# Altium PCB PCB1.PcbDoc
Units mm, origin at the board's own origin, x right, y up, seen from the top; angles counter-clockwise.
Board outline 62 x 227.1 mm, 6 copper layers (Top Layer, +5V, Signal Layer 1, Signal Layer 2, +3.3V, Bottom Layer), stack 1.231 mm thick; 81 components, 121 nets, 534 pads, 15 vias.
Unrouted connection lines stored in the file: 228.
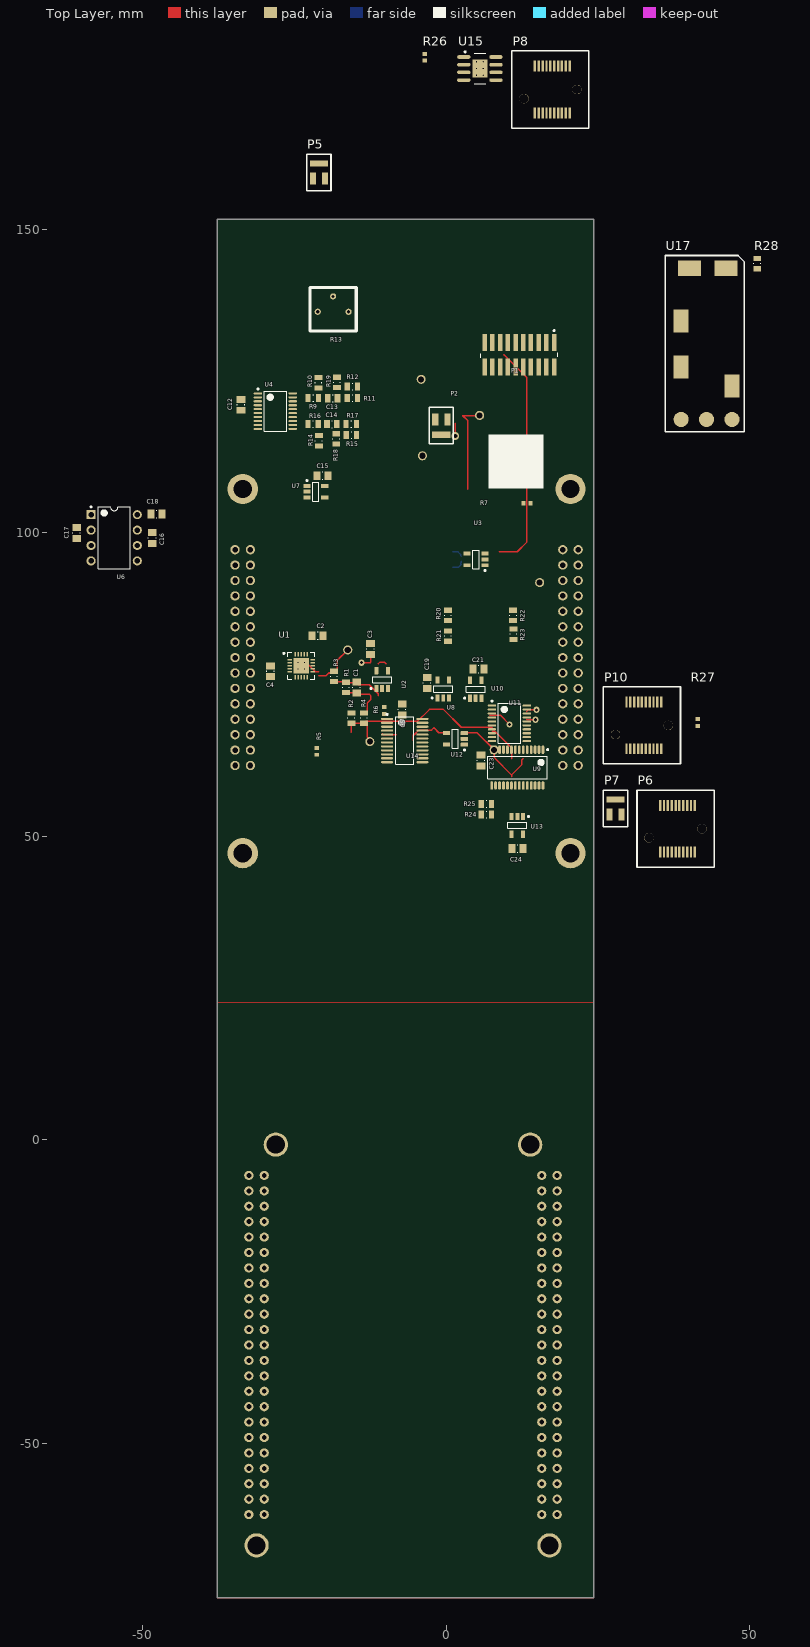
[diagram p0: Top Layer view]
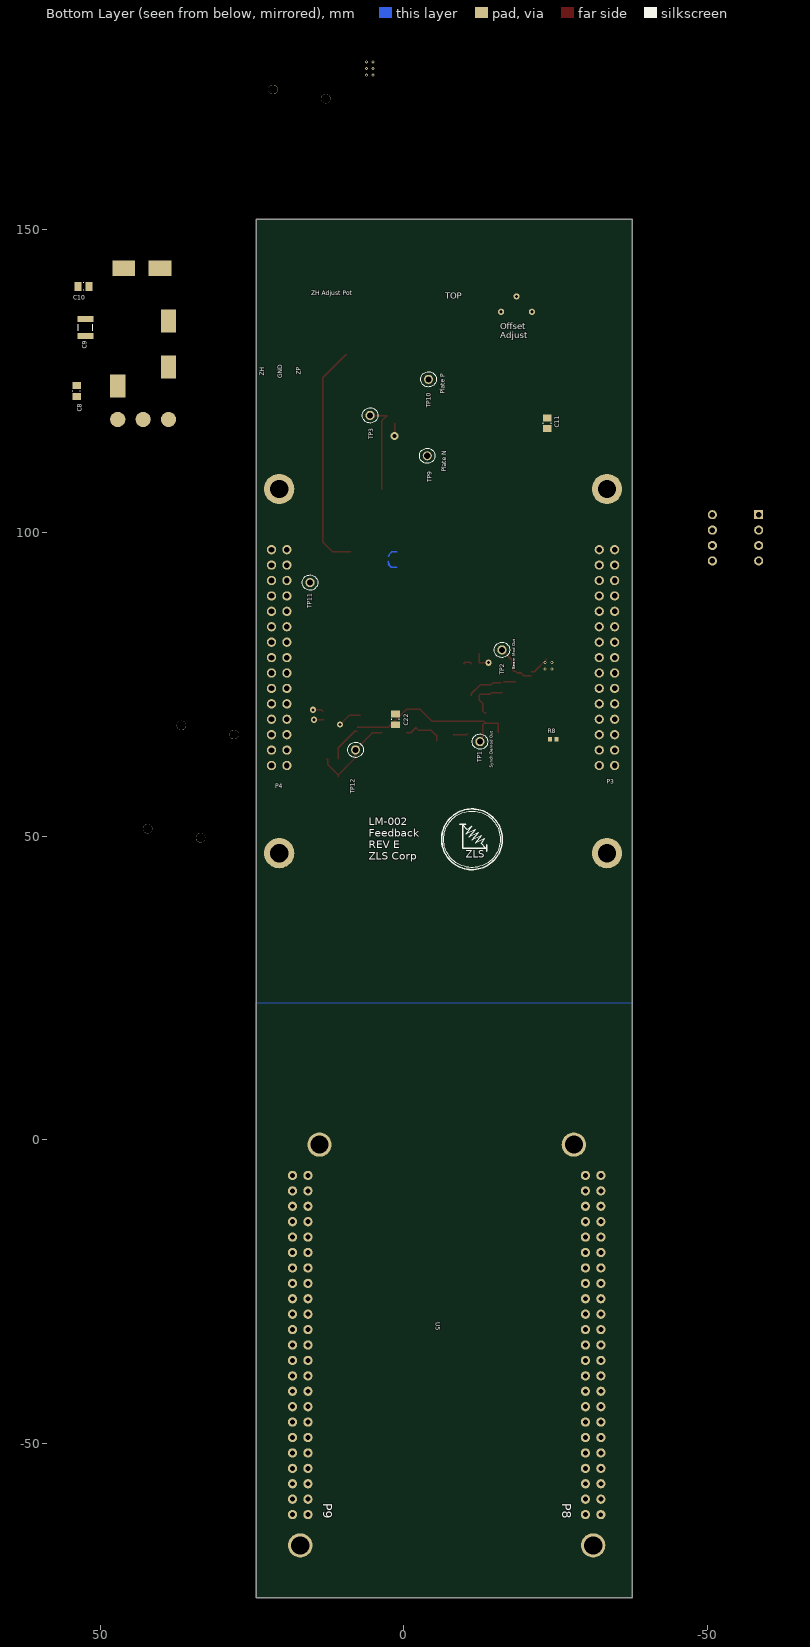
[diagram p1: Bottom Layer view, seen from below]
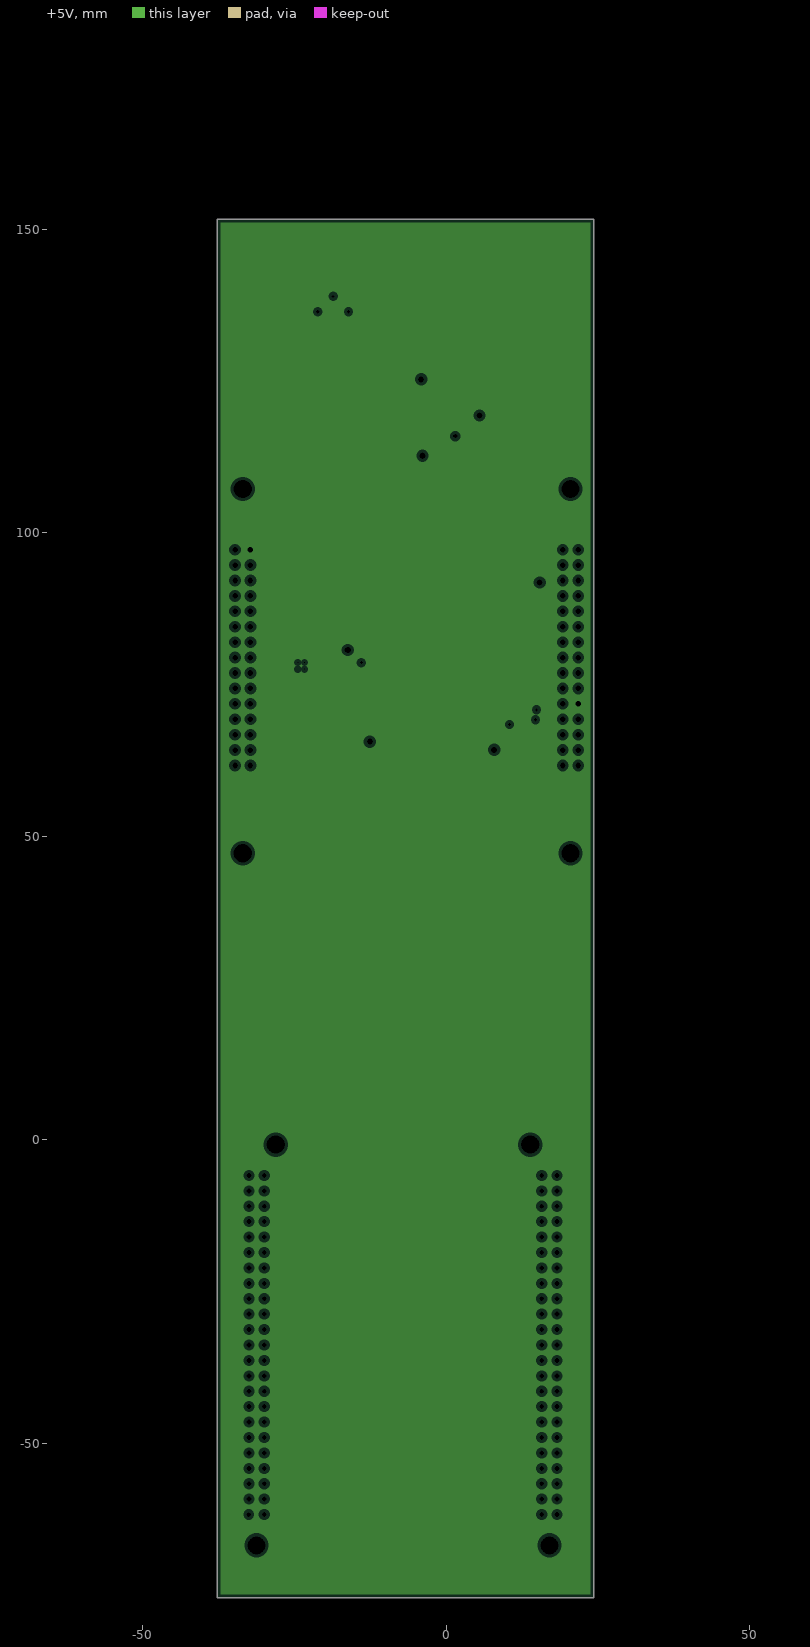
[diagram p2: +5V, clearances drawn from the general rule]
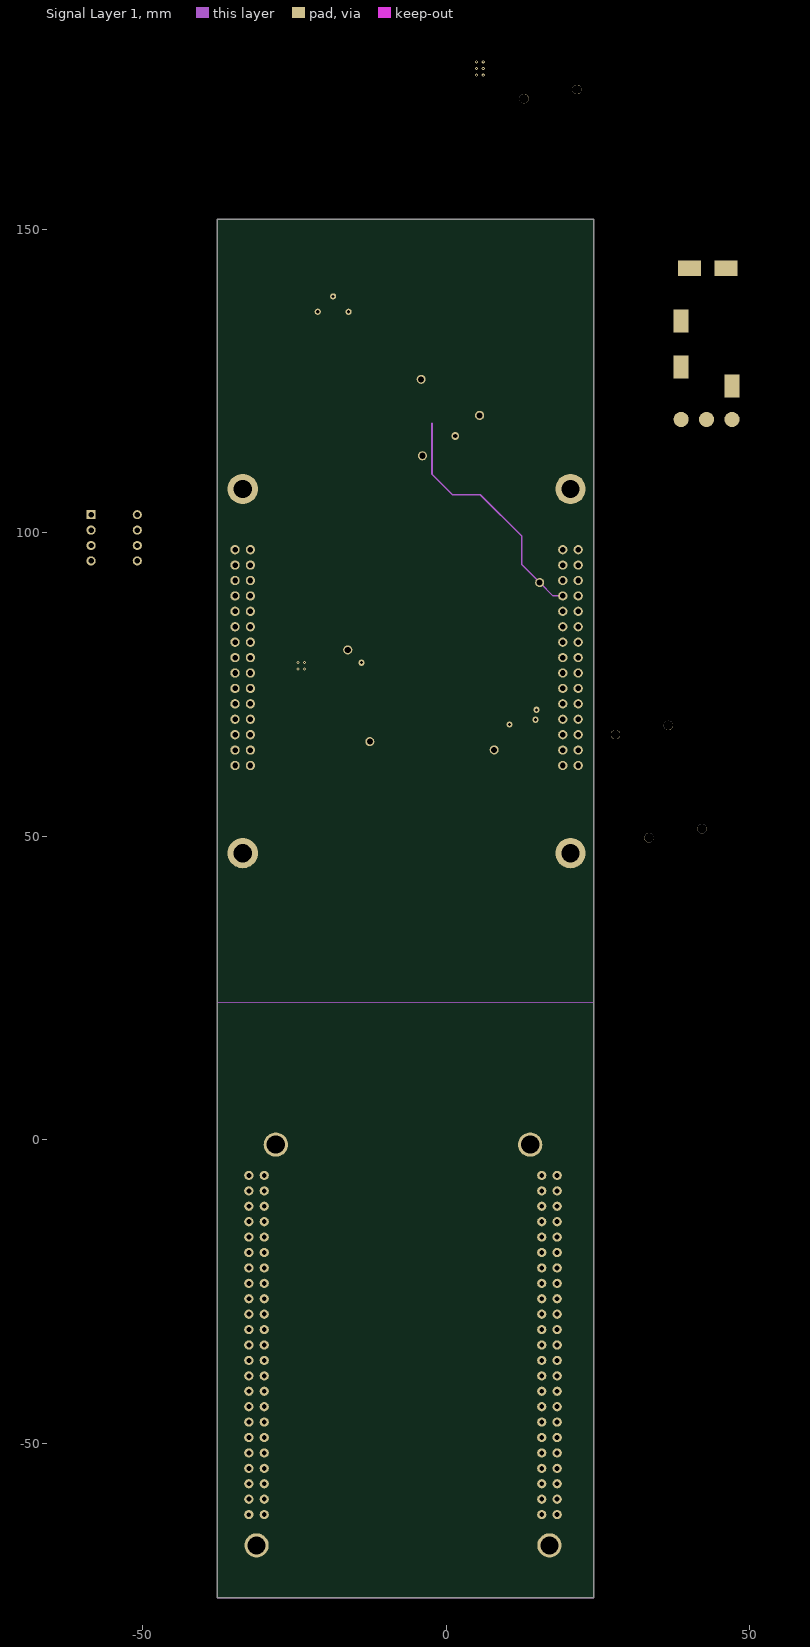
[diagram p3: Signal Layer 1]
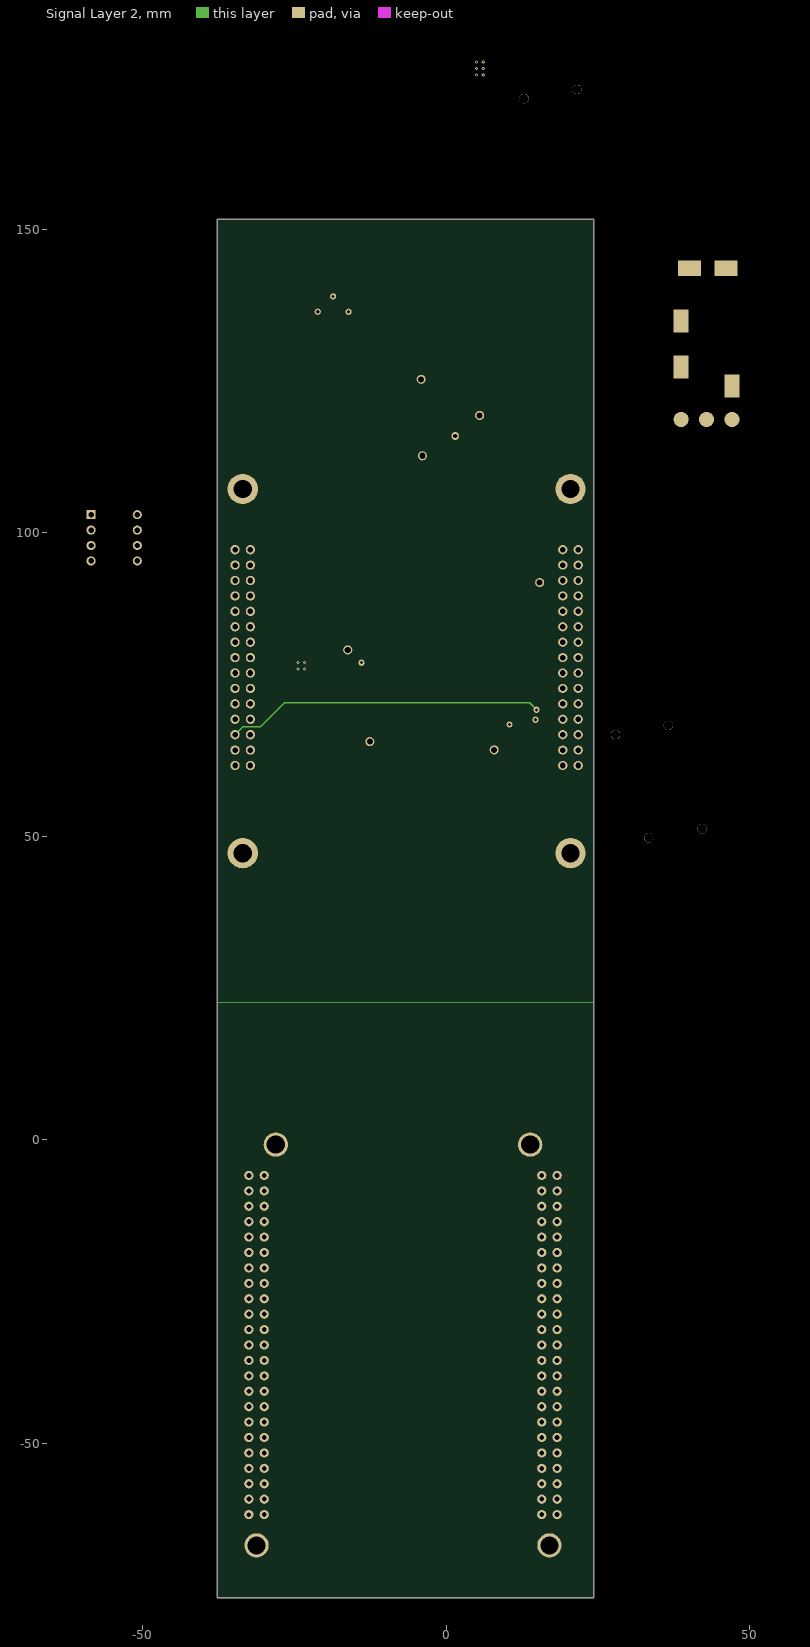
[diagram p4: Signal Layer 2]
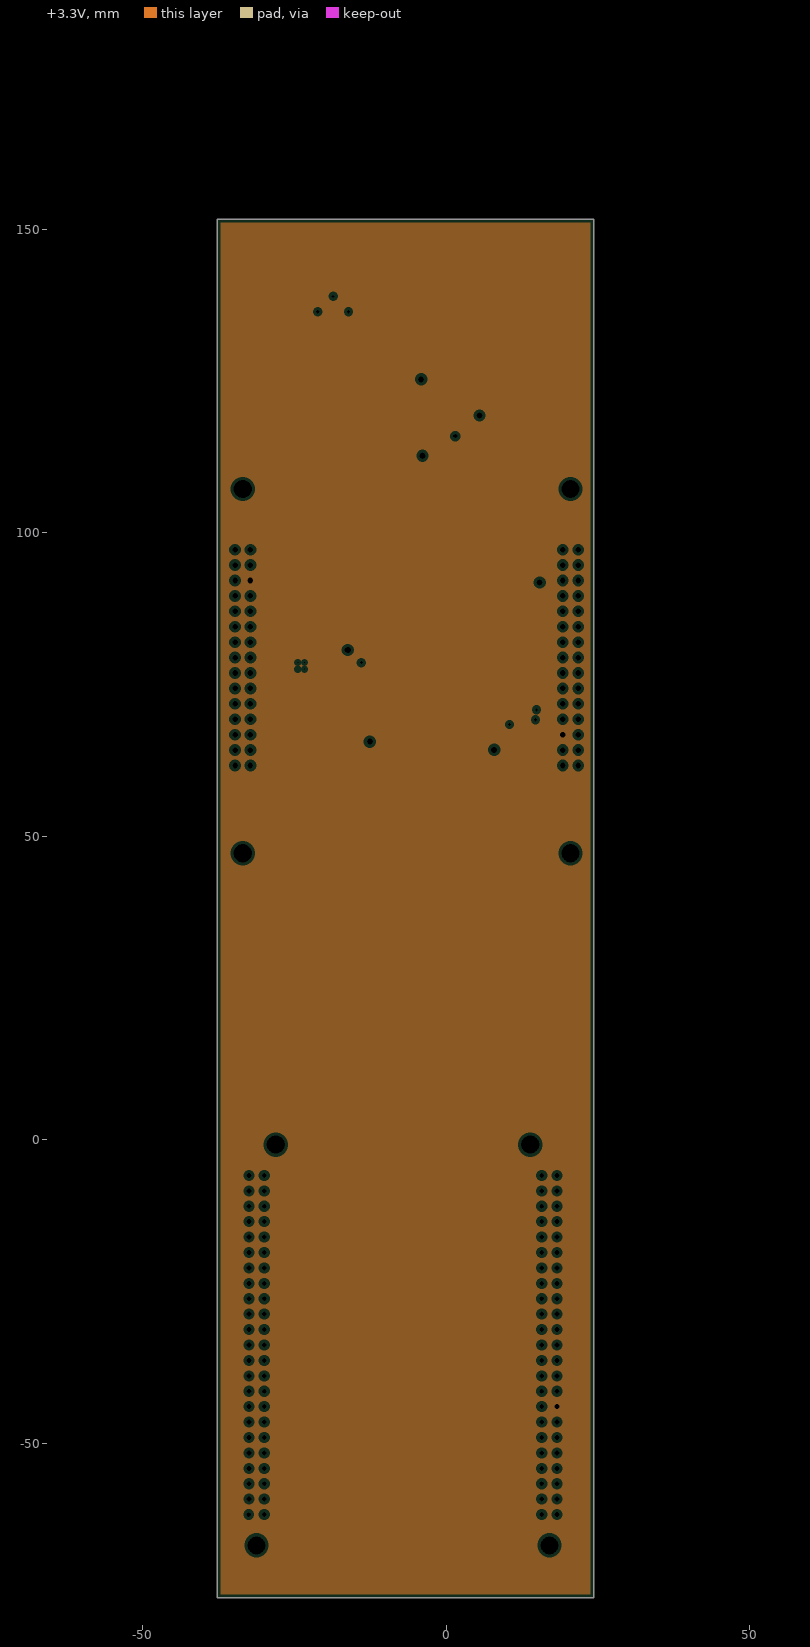
[diagram p5: +3.3V, clearances drawn from the general rule]

## Layer stack, top to bottom
Top Solder: solder mask 0.0102, Solder Resist, Dk 3.5
Top Layer: signal copper 0.0356
Dielectric 1: core 0.254, FR-4, Dk 4.2
+5V: plane copper 0.036, net +5
Dielectric 4: prepreg 0.127, Dk 4.2
Signal Layer 1: signal copper 0.036
Dielectric 5: core 0.254, Dk 4.2
Signal Layer 2: signal copper 0.036
Dielectric 6: prepreg 0.127, Dk 4.2
+3.3V: plane copper 0.036, net +3.3
Dielectric 3: core 0.254, Dk 4.2
Bottom Layer: signal copper 0.0356
Bottom Solder: solder mask 0.0102, Solder Resist, Dk 3.5

## Board outline
-37.722,-75.441 24.281,-75.441 24.281,151.663 -37.722,151.663

## Design rules (kind name [scope] priority, off if disabled: settings)
Clearance [All] p1: gap=0.15 ignorepadtopadclearanceinfootprint=TRUE except(0.04: SMDPad-SMDPad; 0.1: SMDPad-THPad)
DiffPairsRouting DiffPair_DiffPairsRouting [InDifferentialPair ('PLATE')] p1: maxlimit=0.254 minlimit=0.254 mostfreqgap=0.254 toplayer_minwidth=0.381 toplayer_maxwidth=0.381 toplayer_prefwidth=0.381 midlayer1_minwidth=0.381 midlayer1_maxwidth=0.381 midlayer1_prefwidth=0.381 midlayer2_minwidth=0.381 midlayer2_maxwidth=0.381 midlayer2_prefwidth=0.381 bottomlayer_minwidth=0.381 bottomlayer_maxwidth=0.381 bottomlayer_prefwidth=0.381 maxuncoupledlength=12.7
DiffPairsRouting [All] p2: maxlimit=0.254 minlimit=0.254 mostfreqgap=0.254 toplayer_minwidth=0.381 toplayer_maxwidth=0.381 toplayer_prefwidth=0.381 midlayer1_minwidth=0.381 midlayer1_maxwidth=0.381 midlayer1_prefwidth=0.381 midlayer2_minwidth=0.381 midlayer2_maxwidth=0.381 midlayer2_prefwidth=0.381 bottomlayer_minwidth=0.381 bottomlayer_maxwidth=0.381 bottomlayer_prefwidth=0.381 maxuncoupledlength=12.7
HoleSize [All] p1: absolutevalues=TRUE maxlimit=10 minlimit=0.076 maxpercent=80.000 minpercent=20.000
HoleToHoleClearance [All] p1: gap=0.12 allowstackedmicrovias=TRUE
MatchedLengths DiffPair_MatchedLengths [InDifferentialPair ('PLATE')] p1: tolerance=2.54 checknetsindiffpair=FALSE checkdiffpairvsdiffpair=TRUE checkxsignals=TRUE checkothers=TRUE
MinimumSolderMaskSliver [All] p1: minsoldermaskwidth=0.025
PlaneClearance [All] p1: clearance=0.508
PlaneConnect [All] p1: planeconnectstyle=Relief reliefexpansion=0.508 reliefentries=4 reliefconductorwidth=0.254 reliefairgap=0.254
PolygonConnect [All] p1: connectstyle=Relief reliefconductorwidth=0.254 reliefentries=4 polygonreliefangle="90 Angle" airgapwidth=0.254
RoomDefinition ZP [InComponentClass('ZP')] p1: confinementstyle=ConfineIn formatcopy=TRUE lockcomponents=FALSE outline 33.528,113.69 52.908,113.69 52.908,145.745 33.528,145.745
RoutingVias [All] p1: holewidth=0.711 width=1.27 viastyle="Through Hole" minholewidth=0.127 minwidth=0.9 maxholewidth=1.4 maxwidth=2.54
SilkToSilkClearance [All] p1: silktosilkclearance=0.12
SilkToSolderMaskClearance [IsPad] p1: minsilkscreentomaskgap=0.12 clearancetoexposedcopper=TRUE
SolderMaskExpansion [All] p1: expansion=0.102
Width [All] p1: maxlimit=0.254 minlimit=0.1 preferedwidth=0.254
22 further rules are at their usual default settings.

## Classes and differential pairs
component class ZP: C8 C9 C10 R28 U17
component class ZH: C5 P8 P10 R8 R26 R27 TP1 TP2 TP3 U12 U14 U15
component class Beam_Amp: P2 P5 P6 P7 R5 R6 R7 U11
component class BBB: U5
component class ADC: C19 C21 C22 C23 C24 R20 R21 R22 R23 R24 R25 TP12 U8 U9 U10 U13
component class synch_demod: 19.685mil C1 C2 C3 C4 C11 C12 C13 C14 C15 C16 C17 C18 P1 P3 P4 R1 R2 R3 R4 R9 R10 R11 R12 R13 R14 R15 R16 R17 R18 R19 TP9 TP10 TP11 U1 U2 U3 U4 U6 U7
differential pair PLATE: +PLATE_P -PLATE_N

## Components (designator, comment, footprint, x,y, rotation, side; value= is the part's Value field where it differs from the comment)
C1 "CAP CER 0.1UF 25V X7R 0805" CAPC0805(2012)145_N -14.743,74.541 r270 top
C2 "CAP CER 0.1UF 25V X7R 0805" CAPC0805(2012)145_N -21.166,83.056 r0 top
C3 "CAP CER 0.1UF 25V X7R 0805" CAPC0805(2012)145_N -12.457,80.891 r90 top
C4 "CAP CER 0.1UF 25V X7R 0805" CAPC0805(2012)145_N -28.919,77.203 r270 top
C5 "CAP CER 0.1UF 25V X7R 0805" CAPC0805(2012)145_N -7.25,70.914 r270 top
C8 ".01uF" CAPC0805(2012)145_N 53.848,123.351 r270 bottom
C9 "4.7uF" CAPC1210(3225)170_L 52.4,133.816 r270 bottom value=680pF
C10 ".01uF" CAPC0805(2012)145_N 52.73,140.573 r0 bottom
C11 "CAP CER 0.1UF 25V X7R 0805" CAPC0805(2012)145_N -23.673,118.059 r270 bottom
C12 "CAP CER 0.1UF 25V X7R 0805" CAPC0805(2012)145_N -33.782,121.102 r90 top
C13 "CAP CER 1UF 25V X7R 0805" CAPC0805(2012)155_L -18.694,122.174 r180 top
C14 "CAP CER 1UF 25V X7R 0805" CAPC0805(2012)155_L -18.821,117.932 r180 top
C15 "CAP CER 0.1UF 25V X7R 0805" CAPC0805(2012)145_N -20.396,109.423 r0 top
C16 "CAP CER 0.1UF 25V X7R 0805" CAPC0805(2012)145_N -48.427,99.136 r270 top
C17 "CAP CER 0.1UF 25V X7R 0805" CAPC0805(2012)145_N -60.873,99.949 r270 top
C18 "Multilayer Ceramic Capacitors MLCC - SMD/SMT 0.01uF 50volts 10% X7R" CAPC0805(2012)145_N -47.716,103.099 r0 top
C19 "CAP CER 0.1UF 25V X7R 0805" CAPC0805(2012)145_N -3.125,75.267 r90 top
C21 "CAP CER 0.1UF 25V X7R 0805" CAPC0805(2012)145_N 5.333,77.592 r180 top
C22 "CAP CER 0.1UF 25V X7R 0805" CAPC0805(2012)145_N 1.313,69.286 r90 bottom
C23 "CAP CER 0.1UF 25V X7R 0805" CAPC0805(2012)145_N 5.752,62.471 r270 top
C24 "CAP CER 0.1UF 25V X7R 0805" CAPC0805(2012)145_N 11.721,47.993 r0 top
P1 "FTSH-110-01-L-DV" SMTC-FTSH-110-01-L-DV_V 12.065,129.337 r180 top
P2 "Triax_Conn" Triax_Conn 0.203,118.669 r180 top
P3 "TSW-115-14-G-D" TSW-115-14-G-D -32.246,61.671 r270 bottom locked
P4 "TSW-115-14-G-D" TSW-115-14-G-D 21.754,61.671 r270 bottom locked
P5 "Triax_Conn" Triax_Conn -21.974,158.366 r0 top
P6 "MEC6-110-0-PCB" MEC6-110-02-L-DV 37.792,51.254 r0 top
P7 "Triax_Conn" Triax_Conn 26.896,53.591 r0 top
P8 "MEC6-110-0-PCB" MEC6-110-02-L-DV 17.168,173.047 r0 top
P10 "MEC6-110-0-PCB" MEC6-110-02-L-DV 32.255,68.272 r0 top
R1 "0" RESC0805(2012)_L -16.521,74.541 r90 top
R2 "0" RESC0805(2012)_L -15.629,69.489 r90 top
R3 "0" RESC0805(2012)_L -18.455,76.356 r90 top
R4 "0" RESC0805(2012)_L -13.546,69.489 r90 top
R5 "100k" RESC0402(1005)_M -21.299,63.995 r90 top
R6 "100k" RESC0402(1005)_M -10.171,70.731 r90 top
R7 "3.9K" RESC0402(1005)_M 13.313,104.854 r180 top
R8 "" RESC0402(1005)_M -24.675,65.96 r0 bottom
R9 "4.02K" RESC0805(2012)_L -21.895,122.225 r180 top
R10 "7.5k" RESC0805(2012)_L -21.057,124.739 r270 top
R11 "0" RESC0805(2012)_L -15.443,122.199 r180 top
R12 "DNP" RESC0805(2012)_L -15.443,124.104 r180 top
R13 "TRIMMER 5K OHM 0.25W PC PIN" "TRIMMER 2.54" -21.158,136.423 r0 top
R14 "7.5k" RESC0805(2012)_L -20.98,115.164 r270 top
R15 "DNP" RESC0805(2012)_L -15.621,116.103 r180 top
R16 "4.02K" RESC0805(2012)_L -21.92,117.932 r0 top
R17 "0" RESC0805(2012)_L -15.646,117.958 r180 top
R18 "1M" RESC0805(2012)_L -18.11,115.468 r90 top
R19 "1M" RESC0805(2012)_L -18.009,124.79 r270 top
R20 "100k" RESC0805(2012)_L 0.322,86.406 r90 top
R21 "10k" RESC0805(2012)_L 0.322,83.002 r90 top
R22 "100k" RESC0805(2012)_L 11.041,86.406 r90 top
R23 "10k" RESC0805(2012)_L 11.117,83.307 r90 top
R24 "10K" RESC0805(2012)_L 6.641,53.581 r180 top
R25 "10K" RESC0805(2012)_L 6.641,55.359 r0 top
R26 "" RESC0402(1005)_M -3.508,178.381 r90 top
R27 "1M" RESC0402(1005)_M 41.425,68.755 r90 top
R28 "4.557k" RESC0805(2012)_L 51.257,144.374 r90 top
TP1 "5003" KSTN-5003 -12.581,65.603 r270 bottom
TP2 "5003" KSTN-5003 -16.213,80.716 r90 bottom
TP3 "5003" KSTN-5003 5.512,119.355 r90 bottom
TP9 "5003" KSTN-5003 -3.912,112.7 r270 bottom
TP10 "5003" KSTN-5003 -4.115,125.298 r90 bottom
TP11 "5003" KSTN-5003 15.404,91.808 r90 bottom
TP12 "5003" KSTN-5003 7.911,64.249 r270 bottom
U1 "AD9838BCPZ-RL7" ADI-CP-20-10_L -23.884,78.1 r0 top
U2 "OPA188AIDBVR" DBV0005A_M -10.542,75.825 r90 top
U3 "OPA188AIDBVR" DBV0005A_M 4.92,95.616 r180 top
U4 "MAX333AEUP+" TSOP65P640X90-20N -28.143,120.052 r0 top
U5 "BBB Header x 2" "Beaglebone Black Thru" -7.112,-33.807 r0 bottom
U6 "AD584KNZ" ADI-N-8 -54.701,99.187 r0 top
U7 "OPA188AIDBVR" DBV0005A_M -21.463,106.782 r0 top
U8 "OPA188AIDBVR" DBV0005A_M -0.478,74.276 r90 top
U9 "ADS1262" ADS1262 11.721,61.328 r270 top
U10 "OPA188AIDBVR" DBV0005A_M 4.861,74.236 r90 top
U11 "MAX333CWP+" TSOP65P640X90-20N 10.425,68.613 r0 top
U12 "OPA188AIDBVR" DBV0005A_M 1.528,66.061 r180 top
U13 "OPA188AIDBVR" DBV0005A_M 11.721,51.803 r270 top
U14 "DAC1282IPW" TI-PW24_M -6.825,65.788 r0 top
U15 "OPA454AIDDAG4" TI-DDA8-2745X2245TP_N 5.56,176.502 r0 top
U17 "IND065BHV" IND065BHV 47.092,118.694 r90 top
